# Allegro board ZDRK-36-DE3-A02-20190729.brd (continued)
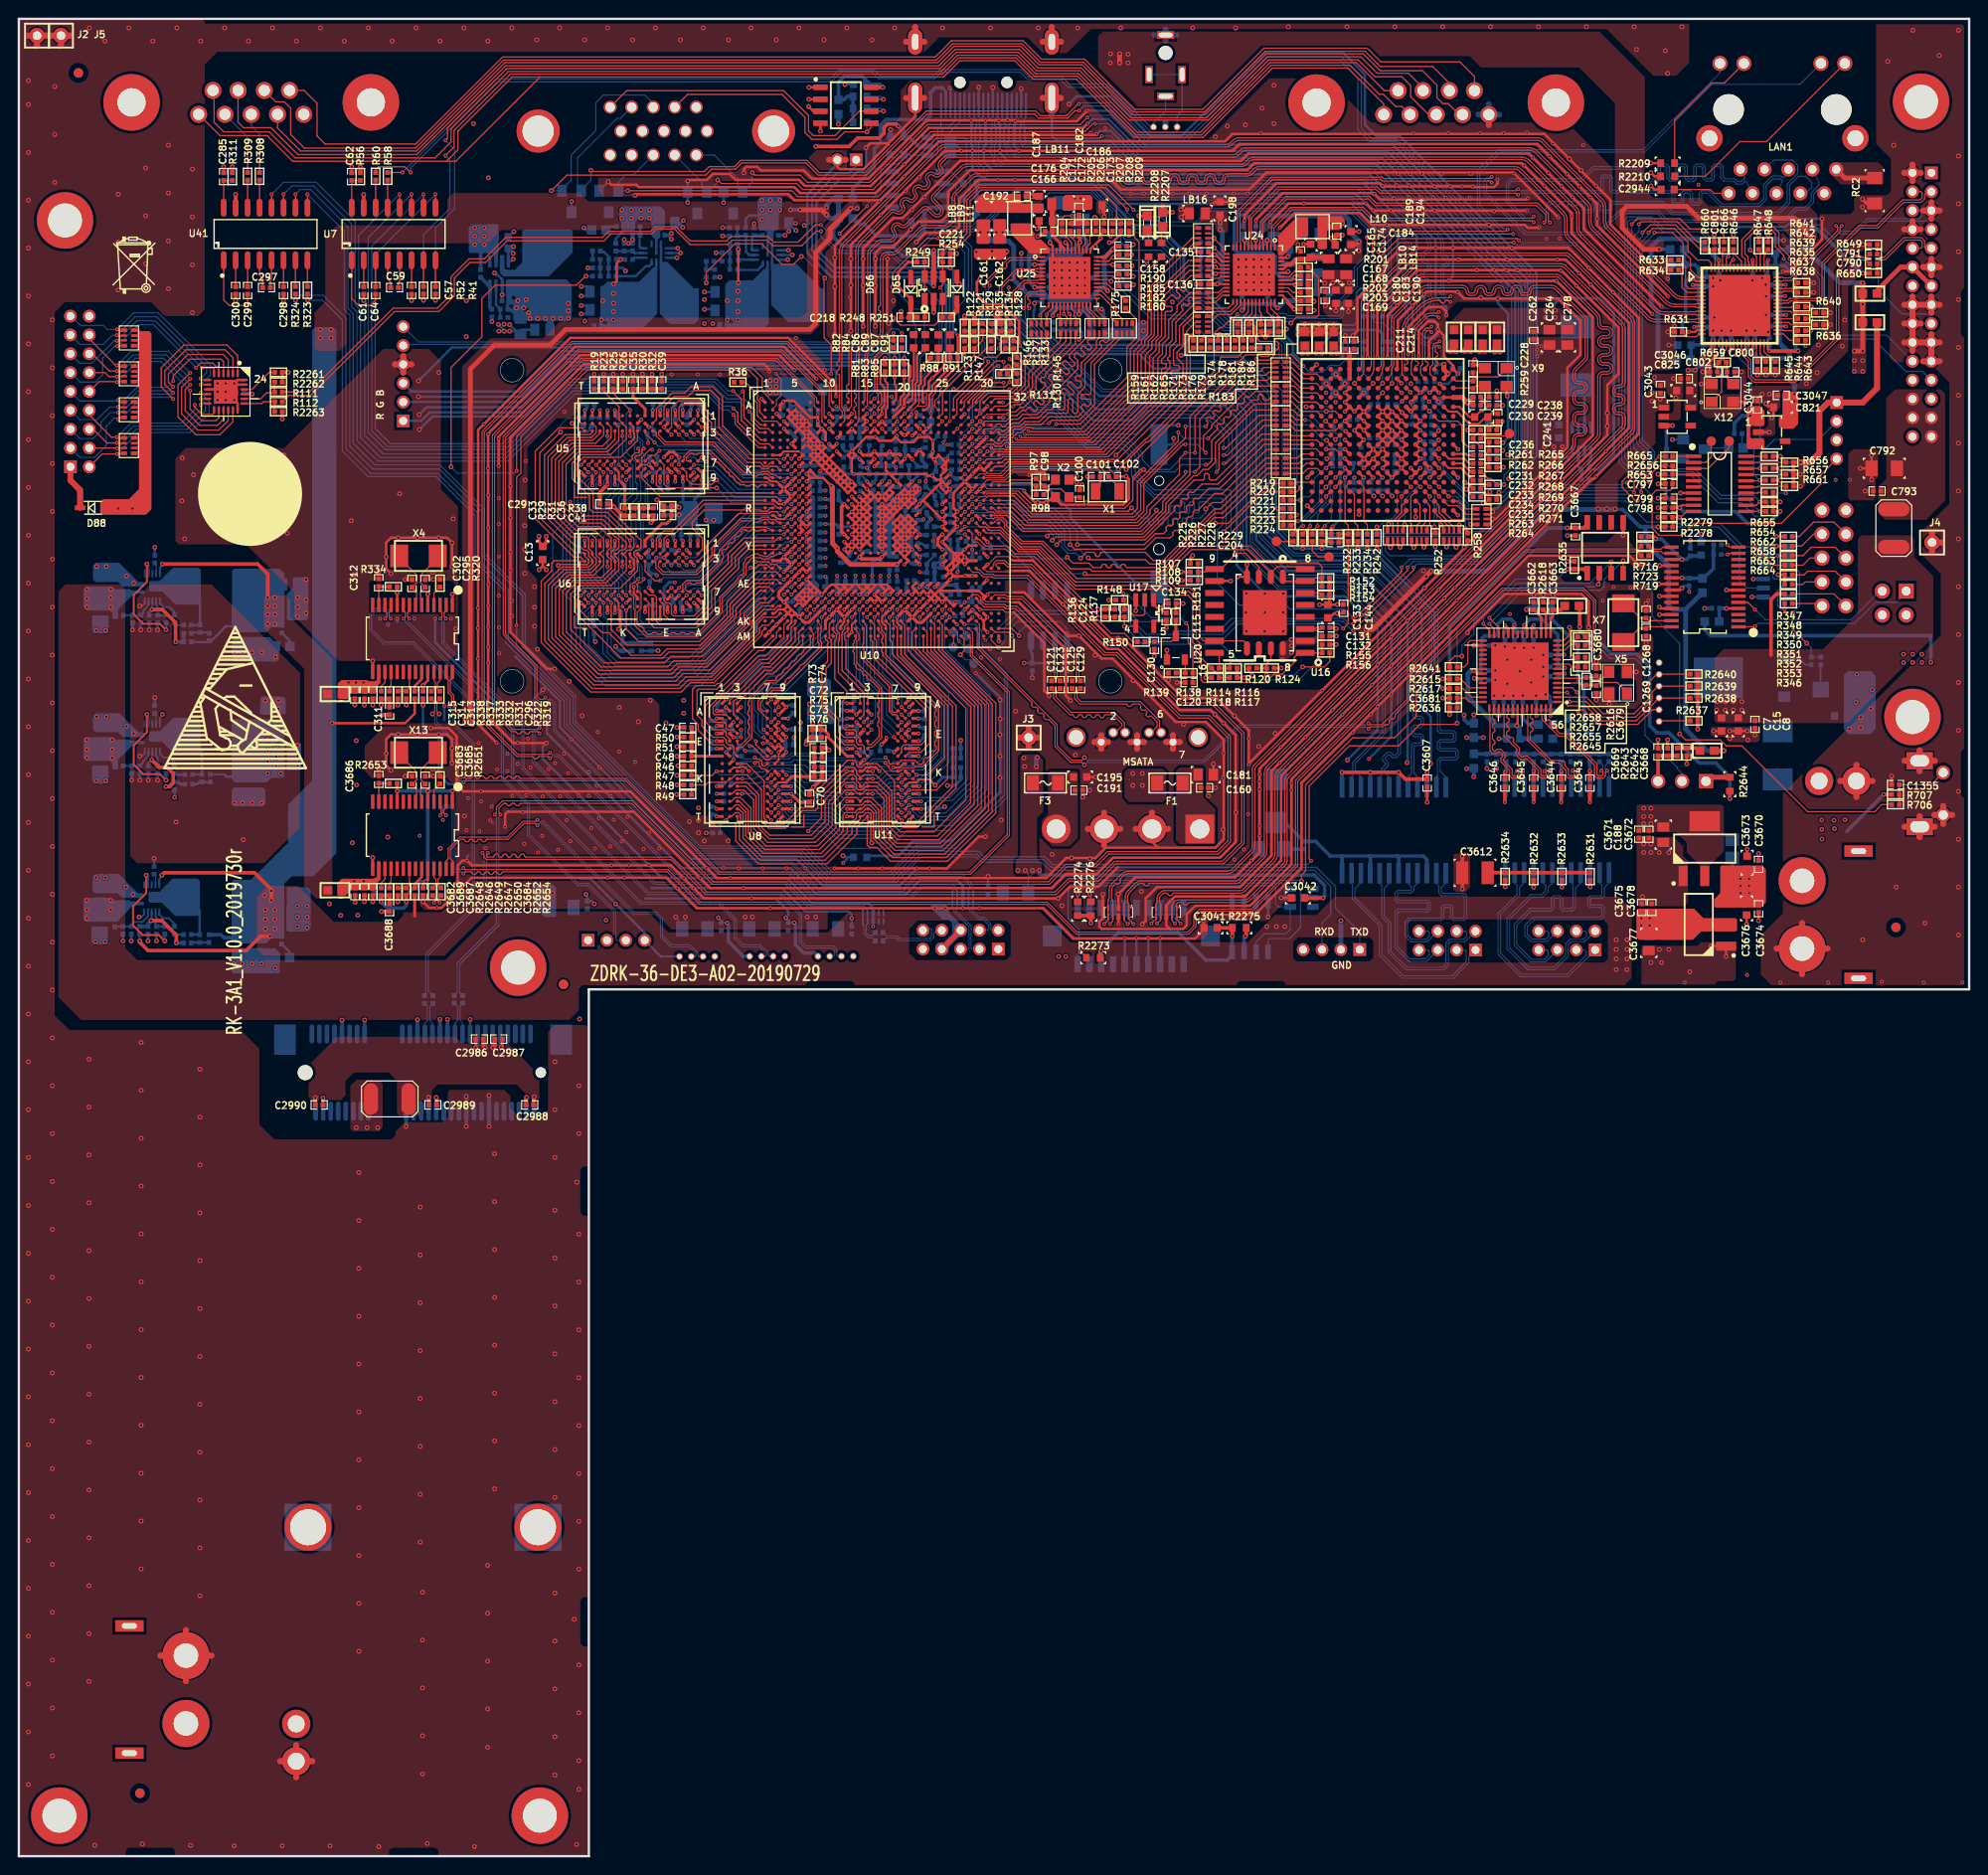
[diagram p0: board, top side]
## Routing (per net, layer and track width the routed paths; a pad name or vN(x,y) marks a point on that pad's centre or on a via; arc(x,y) is an arc through that point) (continued)
SATA_RXP0: length 15
  TOP w0.112: U10.AG31 103.58,133.86 104.75,133.86 104.92,133.69 106.54,133.69 112.52,127.71 112.52,124.89 C129.2
SATA_RXP2: length 149.6
  TOP w0.114: U10.AC31 103.48,136.96 103.48,137.23 103.75,137.5 104.66,137.5 105.06,137.1 107.5,137.1 115.85,128.75 117.09,128.75 123.43,122.42 126.86,122.42 130.05,119.22 130.05,107.49 127.88,105.32 116.42,105.32 114.58,103.48 111.51,103.48 110.08,102.06 72.92,102.06 69.22,105.77 49.64,105.77 49.36,106.04 49.36,106.31 v1(49.19,106.48)
  BOTTOM w0.114: v1(49.19,106.48) 49.36,106.31 49.36,101.92 43.19,95.75 43.19,91.45 C104.2
SATA_TXM0: length 15.7
  TOP w0.112: U10.AG28 101.2,133.88 101.35,133.88 101.35,133.89 101.77,133.89 102.08,133.59 102.08,133.34 102.56,132.85 104.66,132.85 104.85,132.66 105.92,132.66 110.21,128.37 110.21,125.04 C123.2
SATA_TXM2: length 151.2
  TOP w0.114: v1(50.51,110.54) 50.69,110.71 50.69,111.34 51.35,112 65.13,112 73.72,103.42 109.29,103.42 111.14,105.27 114.21,105.27 115.56,106.62 127.19,106.62 128.33,107.76 128.33,118.71 126.25,120.79 123.16,120.79 116.48,127.47 115.21,127.47 107.03,135.65 103.45,135.65 103.31,135.79 102.34,135.79 101.86,136.27 101.23,136.27 U10.AC28
  BOTTOM w0.114: v1(50.51,110.54) 50.69,110.37 50.69,98.92 46.54,94.77 46.54,91.65 C106.2
SATA_TXP0: length 14.2
  TOP w0.112: C121.2 109.94,125.06 109.94,128.26 105.81,132.4 104.74,132.4 104.55,132.59 102.45,132.59 101.81,133.23 101.81,133.37 101.7,133.49 101.62,133.49 U10.AG29
SATA_TXP2: length 151.2
  TOP w0.114: v1(51.12,110.54) 50.95,110.71 50.95,111.23 51.46,111.73 51.67,111.73 51.79,111.62 51.79,111.59 51.9,111.48 52.13,111.48 52.25,111.59 52.25,111.62 52.36,111.73 52.59,111.73 52.7,111.62 52.7,111.59 52.82,111.48 53.05,111.48 53.16,111.59 53.16,111.62 53.27,111.73 65.02,111.73 73.61,103.15 109.4,103.15 111.25,105 114.33,105 115.67,106.35 127.3,106.35 128.6,107.65 128.6,118.82 126.37,121.06 123.27,121.06 116.59,127.74 115.32,127.74 107.14,135.92 103.56,135.92 103.42,136.06 102.45,136.06 101.97,136.54 101.77,136.54 U10.AC29
  BOTTOM w0.114: v1(51.12,110.54) 50.95,110.37 50.95,98.81 46.81,94.66 46.81,91.65 C105.2
SFC_BOOT_MODE: length 37.2
  TOP w0.127: U10.U29 102.03,141.07 102.6,141.07 102.95,140.72 104.18,140.72 106.18,138.71 108.28,138.71 112.14,134.85 122.05,134.85 122.68,134.21 124.21,134.21 124.97,133.45 124.97,129.11 125.32,128.75 125.32,127.36 R114.1 127.41,125.27 R118.1 R117.2
SFC_CLK: length 7.8
  TOP w0.127: U16.16 127.28,127.71 127.41,127.58 R114.2 R116.2 128.52,126.11 128.52,126.59 128.78,126.85 130.99,126.85 131.62,127.48 U18.6
SFC_CS1N: length 47.4
  TOP w0.102: U10.T30 102.44,142.29 102.77,141.96 103.48,141.96 103.56,142.04 104.44,142.04 104.85,141.63
  TOP w0.127: 104.85,141.63 104.85,141.2 106.5,139.55 108.71,139.55 111.63,136.63 113.66,136.63 113.92,136.37 121.67,136.37 124.33,139.04 130.68,139.04 132.46,137.26 137.92,137.26 138.3,136.88 138.3,135.66 ; 138.3,135.66 138.3,134.77 ; 138.3,135.66 137.62,135.66 137.29,135.33 U16.7 134.28,135.33 134.16,135.45 U18.1
SFC_DIO: length 36.2
  TOP w0.127: U10.U30 102.58,141.49 103.05,141.02 104.24,141.02 106.3,138.96 108.41,138.96 112.14,135.23 122.17,135.23 122.81,134.59 124.33,134.59 125.35,133.58 125.35,129.39 125.76,128.98 U16.15 130,128.98 130.35,128.63 U18.5
SFC_DOI: length 41.7
  TOP w0.127: v2(113.16,136.12) 113.28,135.99 121.79,135.99 124.46,138.66 130.4,138.66 132.89,136.17 ; 132.89,136.17 U18.2 ; 132.89,136.17 133.58,136.86 136.28,136.86 U16.8 ; U10.V27 v1(100.41,141.09)
  BOTTOM w0.127: v2(113.16,136.12) 107.7,136.12 102.72,141.09 v1(100.41,141.09)
SFC_HOLD_IO3: length 49.6
  TOP w0.127: R155.2 R156.2 U16.1 135.86,127.71 135.38,127.23 135.38,126.72 134.11,125.45 133.22,125.45 132.33,124.56 125.73,124.56 125.48,124.82 125.48,126.72 124.98,127.22 124.98,128.46 124.59,128.85 124.59,133.32 124.08,133.83 122.56,133.83 121.92,134.47 112.14,134.47 108.15,138.46 106.08,138.46 104.1,140.44 102.67,140.44 U10.V30
SFC_WP_IO2: length 36.5
  TOP w0.102: U10.U31 103.47,141.49 103.81,141.83 104.32,141.83 104.62,141.53 104.62,141.05 105.28,140.39
  TOP w0.127: U18.3 131.62,136.83 130.18,138.28 129.26,138.28 127.58,136.6 U16.9 126.21,136.6 125.91,136.3 R108.1 ; R108.1 R107.1 ; R108.1 R109.2 125.17,134.98 125.04,134.85 123.19,134.85 122.43,135.61 112.27,135.61 108.59,139.29 106.38,139.29 105.28,140.39
SN_BOOT_PIN0: length 11.5
  TOP w0.102: U10.B24 97.23,153.87 97.23,154.46 97.79,155.02
  TOP w0.127: 97.79,155.02 97.79,155.68 101.42,159.31 R147.1 102.31,160.88 R129.2 R135.2
SN_BOOT_PIN1: length 13.6
  TOP w0.127: v2(99.24,155.68) 99.59,155.68 102.41,158.5 102.41,158.97 102.53,159.08 103.78,159.08 R127.2 R133.2 105.92,159.66 R145.1 ; v3(98.83,152.31) U10.D25
  BOTTOM w0.127: v2(99.24,155.68) 98.83,155.27 v3(98.83,152.31)
SN_BOOT_PIN2: length 13.3
  TOP w0.127: U10.C24 97.62,152.69 98.04,153.11 98.04,155.32 98.27,155.55 98.27,155.6 102.67,159.99 R146.1 103.68,160.48 103.68,161.29 R134.2 R128.2
SW_MODE: length 2.3
  TOP w0.127: U1.9 164.55,126.51 164.85,126.21 R2645.1
SW_MODE_R: length 1
  TOP w0.127: R2645.2 R2655.2
SWIM: length 13.2
  TOP w0.127: U1492.18 184.63,147.27 184.66,147.29 v1(184.78,147.29) R654.2
  BOTTOM w0.127: J116.2 191.02,150.34 186.31,150.34 184.78,148.82 v1(184.78,147.29)
SYS_RSTN: length 51.2
  TOP w0.127: R120.2 130.58,125.68 v2(130.94,125.32) ; C131.1 138.2,130.25 v2(137.82,130.25) U16.3 ; U10.W29 101.77,139.74 101.94,139.74 102.64,139.04 104.9,139.04 105.74,138.2 108.03,138.2 114.71,131.52 R136.1 C124.1 R137.2 v2(117.35,130.53) U17.4
  BOTTOM w0.127: v2(117.35,130.53) 119.25,128.63 127.63,128.63 v2(130.94,125.32) 131.42,124.84 135.86,124.84 137.82,126.8 v2(137.82,130.25)
TCK: length 17.6
  TOP w0.127: U1.2 166.4,123.01 168.15,121.26 171.45,121.26 172.97,122.78 172.97,124.56 173.83,125.42 J6.5 174.13,125.45 R2640.1
TDI: length 16
  TOP w0.127: R2638.1 174.11,122.91 J6.3 171.67,120.5 167.89,120.5 166.31,122.09 164.4,122.09 163.98,122.51 U1.1
TDO: length 14.3
  TOP w0.127: J6.2 173.38,121.67 171.83,120.12 167.64,120.12 166.12,121.64 165.61,121.64 v1(165.48,121.51) ; U1.4 164.89,124.01 v1(165.35,123.55)
  BOTTOM w0.127: v1(165.35,123.55) 165.48,123.42 v1(165.48,121.51)
TEST: length 3.1
  TOP w0.127: U1.39 153.97,124.01 153.03,124.94 R2615.2
TMS: length 17.5
  TOP w0.127: v1(164.59,122.53) 166.37,122.53 168.02,120.88 171.58,120.88 173.35,122.66 173.35,123.55 173.98,124.17 J6.4 174.11,124.18 R2639.1 ; v1(164.34,123.51) U1.3
  BOTTOM w0.127: v1(164.59,122.53) 164.59,123.25 v1(164.34,123.51)
TR0N: length 13.9
  TOP w0.114: U1.43 156.08,121.22 156.15,121.16 156.15,117.31 156.44,117.02 156.82,117.02 157.01,117.21 157.17,117.21 157.49,116.88 157.49,116.72 157.31,116.54 157.31,116.15 158.23,115.23 158.23,114.67 158.5,114.4 159.18,114.4 159.45,114.67 159.45,115 v1(159.63,115.17)
  BOTTOM w0.114: R2620.1 159.4,115.79 159.4,115.4 v1(159.63,115.17) 159.77,115.02 T1.3
TR0P: length 13.7
  TOP w0.114: U1.44 156.58,121.22 156.41,121.05 156.41,120.76 156.53,120.65 156.55,120.65 156.67,120.53 156.67,120.3 156.55,120.19 156.53,120.19 156.41,120.07 156.41,119.85 156.53,119.73 156.55,119.73 156.67,119.62 156.67,119.39 156.55,119.27 156.53,119.27 156.41,119.16 156.41,118.56 156.53,118.44 156.55,118.44 156.67,118.33 156.67,118.1 156.55,117.99 156.53,117.99 156.41,117.87 156.41,117.42 156.55,117.29 156.71,117.29 156.89,117.47 157.28,117.47 157.76,116.99 157.76,116.61 157.57,116.43 157.57,116.26 158.5,115.34 158.5,114.78 158.61,114.67 159.07,114.67 159.19,114.78 159.19,115 v1(159.02,115.17)
  BOTTOM w0.114: T1.2 158.77,114.92 v1(159.02,115.17) 159.13,115.28 159.13,115.9 R2619.1
TR1N: length 14.1
  TOP w0.114: U1.46 157.58,121.22 157.65,121.16 157.65,118.86 159.01,117.49 159.01,117.33 158.93,117.25 158.93,116.86 159.41,116.38 159.79,116.38 159.88,116.47 160.04,116.47 161.28,115.23 161.28,114.68 161.56,114.4 162.11,114.4 162.38,114.67 162.38,115 v1(162.55,115.17)
  BOTTOM w0.114: R2622.1 162.36,115.82 162.36,115.36 v1(162.55,115.17) 162.77,114.95 T1.6
TR1P: length 14
  TOP w0.114: v1(161.94,115.17) 162.11,115 162.11,114.78 161.99,114.67 161.67,114.67 161.54,114.8 161.54,115.34 160.15,116.74 159.77,116.74 159.68,116.65 159.52,116.65 159.2,116.97 159.2,117.14 159.28,117.22 159.28,117.6 158.63,118.25 158.63,118.41 158.65,118.43 158.65,118.59 158.49,118.75 158.33,118.75 158.31,118.74 158.15,118.74 157.91,118.97 157.91,119.28 158.03,119.4 158.08,119.4 158.19,119.51 158.19,119.74 158.08,119.86 158.03,119.86 157.91,119.97 157.91,120.2 158.03,120.31 158.08,120.31 158.19,120.43 158.19,120.66 158.08,120.77 158.03,120.77 157.91,120.88 157.91,121.05 158.08,121.22 U1.47
  BOTTOM w0.114: R2621.1 162.09,115.86 162.09,115.32 v1(161.94,115.17) 161.77,115 T1.5
TR2N: length 14.4
  TOP w0.114: v1(165.53,115.22) 165.36,115.05 165.36,114.67 165.09,114.4 164.47,114.4 164.2,114.67 164.2,115.26 163.44,116.01 162.55,116.01 160.16,118.41 160.16,121.15 160.08,121.22 U1.51
  BOTTOM w0.114: R2624.1 165.35,115.77 165.35,115.4 v1(165.53,115.22) 165.77,114.98 T1.9
TR2P: length 14.3
  TOP w0.114: U1.52 160.58,121.22 160.43,121.07 160.43,120.86 160.54,120.74 160.59,120.74 160.71,120.63 160.71,120.4 160.59,120.29 160.54,120.29 160.43,120.17 160.43,119.94 160.54,119.83 160.59,119.83 160.71,119.71 160.71,119.49 160.59,119.37 160.54,119.37 160.43,119.26 160.43,118.52 162.66,116.28 163.55,116.28 163.61,116.22 163.78,116.22 163.79,116.23 163.95,116.23 164.12,116.07 164.12,115.91 164.1,115.89 164.1,115.73 164.47,115.37 164.47,114.78 164.58,114.67 164.98,114.67 165.09,114.78 165.09,115.05 v1(164.92,115.22)
  BOTTOM w0.114: R2623.1 165.09,115.79 165.09,115.38 v1(164.92,115.22) 164.77,115.07 T1.8
TR3N: length 14.9
  TOP w0.114: U1.54 161.58,121.22 161.66,121.15 161.66,120.66 163.46,118.86 164.17,118.86 167.25,115.78 167.25,114.67 167.52,114.4 168.14,114.4 168.41,114.67 168.41,115.05 v1(168.58,115.22)
  BOTTOM w0.114: T1.12 168.77,115.03 v1(168.58,115.22) 168.4,115.4 168.4,115.77 R2626.1
TR3P: length 14.7
  TOP w0.114: U1.55 162.08,121.22 161.93,121.06 161.93,120.77 162.12,120.58 162.28,120.58 162.3,120.6 162.46,120.6 162.62,120.44 162.62,120.27 162.6,120.26 162.6,120.09 162.77,119.93 162.93,119.93 162.95,119.95 163.11,119.95 163.27,119.79 163.27,119.63 163.25,119.61 163.25,119.45 163.57,119.13 164.28,119.13 164.34,119.07 164.5,119.07 164.52,119.09 164.68,119.09 164.84,118.93 164.84,118.76 164.82,118.75 164.82,118.58 167.51,115.89 167.51,114.78 167.63,114.67 168.03,114.67 168.14,114.78 168.14,115.05 v1(167.97,115.22)
  BOTTOM w0.114: T1.11 167.77,115.02 v1(167.97,115.22) 168.14,115.38 168.14,115.79 R2625.1
TX1+: length 22.1
  BOTTOM w0.114: J133.1 164.45,93.32 159.4,93.32 157.01,95.71 157.01,100.08 159.02,102.08 159.02,103.05 158.77,103.3 T1.23
TX1-: length 22
  BOTTOM w0.114: J133.3 166.16,96.18 166.37,95.97 166.37,95.62 164.34,93.59 159.51,93.59 157.28,95.82 157.28,99.97 159.28,101.97 159.28,102.81 159.77,103.29 T1.22
TX2+: length 23.3
  BOTTOM w0.114: T1.20 161.77,103.3 162.06,103.01 162.06,102.47 161.64,102.04 160.46,102.04 157.97,99.55 157.97,96.26 160.15,94.08 163.04,94.08 164.44,95.48 164.44,96.72 164.76,97.05 166.18,97.05 J133.2
TX2-: length 23.2
  BOTTOM w0.114: J133.4 166.22,98.18 166.4,98.01 166.4,97.64 166.06,97.31 164.65,97.31 164.18,96.83 164.18,95.6 162.93,94.35 160.26,94.35 158.24,96.37 158.24,99.44 160.57,101.78 161.75,101.78 162.33,102.36 162.33,102.83 162.77,103.28 T1.19
TX3+: length 21
  BOTTOM w0.114: T1.17 164.77,103.3 164.96,103.11 164.96,100.77 164.77,100.58 164,100.58 163.89,100.7 163.89,101.61 163.56,101.94 162.96,101.94 162.67,101.66 162.67,100.7 162.56,100.58 160.39,100.58 158.73,98.92 158.73,96.66 160.47,94.93 162.06,94.93 J133.5
TX3-: length 20.9
  BOTTOM w0.114: T1.16 165.77,103.28 165.23,102.74 165.23,100.66 164.88,100.32 163.89,100.32 163.62,100.59 163.62,101.5 163.45,101.68 163.07,101.68 162.94,101.55 162.94,100.59 162.67,100.32 160.5,100.32 159,98.81 159,96.78 160.58,95.19 161.95,95.19 162.31,95.55 162.31,96.06 162.19,96.18 J133.7
TX4+: length 21.1
  BOTTOM w0.114: J133.6 162.2,97.07 160.49,97.07 159.85,97.71 159.85,98.77 160.73,99.66 167.86,99.66 168.02,99.82 168.02,100.58 167.91,100.7 166.79,100.7 166.52,100.97 166.52,101.64 166.79,101.92 167.91,101.92 168.02,102.03 168.02,103.03 167.77,103.28 T1.14
TX4-: length 21
  BOTTOM w0.114: T1.13 168.77,103.29 168.29,102.81 168.29,101.92 168.02,101.65 166.9,101.65 166.79,101.53 166.79,101.08 166.9,100.96 168.02,100.96 168.29,100.69 168.29,99.71 167.97,99.39 160.84,99.39 160.12,98.66 160.12,97.82 160.6,97.33 162.09,97.33 162.38,97.63 162.38,98.01 162.22,98.18 J133.8
UART0_RXD: length 78.5
  TOP w0.127: U10.E2 79.97,151.09 79.55,151.51 78.66,151.51 77.76,152.41 77.76,153.1 v1(77.55,153.31) ; U7.12 v1(40.41,176.38)
  BOTTOM w0.127: v1(77.55,153.31) 76.53,154.33 74.78,154.33 73.28,155.83 58.65,155.83 51.64,148.82 38.68,148.82 36.7,150.8 36.7,164.16 36.07,164.8 36.07,172.03 v1(40.41,176.38)
UART0_TXD: length 76.7
  TOP w0.127: U7.11 v1(41.68,176.38) ; v1(77.57,154.05) 78.07,153.56 78.07,152.57 78.74,151.89 U10.D1
  BOTTOM w0.127: v1(77.57,154.05) 76.96,154.66 75.16,154.66 73.66,156.16 58.5,156.16 51.62,149.29 38.9,149.29 37.08,151.1 37.08,171.78 v1(41.68,176.38)
UART1_RXD: length 77.8
  TOP w0.127: v1(75.82,155.5) 76.68,154.64 76.68,152.4 78.79,150.29 U10.F1 ; U7.9 v1(44.22,176.38)
  BOTTOM w0.127: v1(44.22,176.38) 37.82,169.98 37.82,151.54 39.45,149.91 51.36,149.91 58.22,156.77 74.04,156.77 75.31,155.5 v1(75.82,155.5)
UART1_TXD: length 78.2
  TOP w0.127: v1(76.85,155.49) 76.96,155.37 76.96,152.7 78.57,151.09 U10.E1 ; U7.10 v1(42.95,176.38)
  BOTTOM w0.127: v1(76.85,155.49) 76.4,155.04 75.29,155.04 73.86,156.46 58.34,156.46 51.49,149.61 39.12,149.61 37.47,151.26 37.47,170.89 v1(42.95,176.38)
UART2_RXD: length 86.4
  TOP w0.127: v1(75.84,153.64) 76.3,153.19 76.3,152.2 78.61,149.89 79.63,149.89 80.01,149.5 U10.G2 ; U41.12 v1(26.82,176.38)
  BOTTOM w0.127: v1(26.82,176.38) 28.09,177.65 31.57,177.65 35.69,173.53 35.69,164.67 36.27,164.08 36.27,150.55 38.38,148.44 51.74,148.44 58.8,155.5 73.1,155.5 74.73,153.87 75.62,153.87 v1(75.84,153.64)
UART2_TXD: length 83.9
  TOP w0.127: U41.11 v1(28.09,176.38) ; v1(75.84,152.96) 76.02,152.78 76.02,151.99 78.52,149.49 U10.G1
  BOTTOM w0.127: v1(28.09,176.38) 28.98,177.27 31.27,177.27 35.31,173.23 35.31,164.47 35.89,163.88 35.89,150.27 38.1,148.06 51.89,148.06 59.03,155.19 72.97,155.19 74.68,153.49 75.31,153.49 v1(75.84,152.96)
UART3_RXD: length 150.9
  TOP w0.127: U41.9 v1(30.63,176.38)
  TOP w0.254: v1(100.38,130.73) U10.AK27
  BOTTOM w0.127: v1(30.63,176.38) 34.54,172.47 34.54,164.13 35.13,163.55 35.13,149.66 37.57,147.22 44.63,147.22 49.12,142.72 49.12,138.1 53.47,133.76 53.47,128.37 58.83,123.01 58.83,120.29 72.16,106.96 83.41,106.96 86.21,104.17 92.53,104.17 95.35,106.98 99.52,106.98 104.9,112.37 104.9,125.53 102.23,128.19 102.23,130 101.5,130.73 v1(100.38,130.73)
UART3_TXD: length 152.5
  TOP w0.127: U41.10 v1(29.36,176.38)
  TOP w0.254: v1(99.57,130.74) U10.AK26
  BOTTOM w0.127: v1(99.57,130.74) 100,130.3 101.35,130.3 101.85,129.79 101.85,128.07 104.65,125.27 104.65,112.62 99.31,107.29 95.28,107.29 92.41,104.42 86.39,104.42 83.59,107.21 72.29,107.21 59.08,120.42 59.08,123.14 53.75,128.47 53.75,133.91 49.4,138.25 49.4,142.95 44.7,147.65 37.8,147.65 35.48,149.96 35.48,163.7 34.92,164.26 34.92,172.9 30.94,176.89 29.87,176.89 v1(29.36,176.38)
UART_RX_BD: length 17.3
  TOP w0.127: v1(184.28,132.31) 183.51,133.07 U44.5
  BOTTOM w0.127: J124.2 197.54,134.26 194.49,131.22 185.37,131.22 v1(184.28,132.31)
UART_TX_BD: length 19.5
  TOP w0.127: v1(184.28,130.53) 184.22,130.47 U44.1
  BOTTOM w0.127: J124.1 200.33,134.14 199.26,133.07 197.08,133.07 194.84,130.84 184.58,130.84 v1(184.28,130.53)
UPDATE_FROM_USB: length 32.5
  TOP w0.127: U10.K31 103.64,147.52 104.5,147.52 104.95,147.98 117.17,147.98 119.53,150.34 119.63,150.34 126.87,157.58 126.87,159.64 R165.2 R171.1 R173.2
USART1_RX: length 5.4
  TOP w0.127: U1492.3 179.3,147.27 181.53,149.5 TP69.1
USART1_TX: length 3.8
  TOP w0.127: TP68.1 179.63,148.49 179.06,147.92 U1492.2
USB2_DM0: length 98.3
  TOP w0.112: v2(43.9,121.23) 44.15,121.47 44.15,122.48 R322.1 ; U10.AL28 101.22,129.88 101.22,129.35 101.25,129.31 101.25,128.49 101.22,128.45 101.22,127.48 105.13,123.56 105.13,108.34 101.01,104.22 74.32,104.22 64.39,114.15 53.16,114.15 53.15,114.15 47.38,114.15 v1(47.22,113.98)
  BOTTOM w0.112: v1(47.22,113.98) 47.05,114.15 46.7,114.15 46.46,114.39 46.46,117.93 44.15,120.24 44.15,120.99 v2(43.9,121.23)
USB2_DM1: length 89.7
  TOP w0.102: U10.AK29 101.61,131.08 101.96,130.73 101.96,128.68
  TOP w0.112: R2657.1 166.41,128.64 166.54,128.64 167.04,128.64 167.36,128.96 167.36,133.29 166.08,134.57 157.41,134.57 147.32,124.48 147.32,122.75 144.66,120.09 143.41,120.09 v1(143.26,120.24)
  TOP w0.114: 101.96,128.68 101.96,128.68 101.96,128.31 104.54,125.73 105.43,124.84 110.21,120.06 110.21,117.85 111.74,116.32 112.83,116.32 v2(113.11,116.6)
  BOTTOM w0.112: v1(143.26,120.24) 143.07,120.05 129.48,120.05 125.73,116.31 113.4,116.31 v2(113.11,116.6)
USB2_DP0: length 98
  TOP w0.112: U10.AM28 100.99,129.31 100.99,127.38 104.9,123.47 104.9,108.43 100.91,104.44 74.42,104.44 64.48,114.38 53.25,114.38 53.14,114.49 53.14,114.52 53.02,114.63 52.79,114.63 52.68,114.52 52.68,114.49 52.56,114.38 52.34,114.38 52.22,114.49 52.22,114.52 52.11,114.63 51.88,114.63 51.76,114.52 51.76,114.49 51.65,114.38 51.43,114.38 51.31,114.49 51.31,114.52 51.2,114.63 50.97,114.63 50.86,114.52 50.86,114.49 50.74,114.38 50.43,114.38 50.31,114.49 50.31,114.52 50.2,114.63 49.97,114.63 49.86,114.52 49.86,114.49 49.74,114.38 49.51,114.38 49.4,114.49 49.4,114.52 49.28,114.63 49.06,114.63 48.94,114.52 48.94,114.49 48.83,114.38 48.6,114.38 48.48,114.49 48.48,114.52 48.37,114.63 48.14,114.63 48.03,114.52 48.03,114.49 47.91,114.38 47.43,114.38 v1(47.22,114.59) ; v2(44.62,121.23) 44.37,121.47 44.37,122.53 R319.1
  BOTTOM w0.112: v1(47.22,114.59) 47,114.38 46.8,114.38 46.69,114.49 46.69,118.03 44.37,120.34 44.37,120.99 v2(44.62,121.23)
USB2_DP1: length 89.7
  TOP w0.102: 101.73,128.68 101.73,130.18 U10.AL29
  TOP w0.112: v1(143.26,119.63) 143.49,119.86 144.75,119.86 144.98,120.08 145.13,120.08 145.14,120.08 145.3,120.08 145.46,120.24 145.46,120.39 145.45,120.4 145.45,120.56 145.61,120.72 145.77,120.72 145.77,120.71 145.93,120.71 146.09,120.87 146.09,121.03 146.08,121.03 146.08,121.19 147.55,122.66 147.55,124.38 157.51,134.34 165.99,134.34 167.13,133.2 167.13,129.05 166.95,128.87 166.79,128.87 R2658.1
  TOP w0.114: 101.73,128.68 101.73,128.22 107.52,122.43 107.52,122.27 107.5,122.25 107.5,122.09 107.66,121.93 107.82,121.93 107.84,121.94 108,121.94 108.16,121.78 108.16,121.62 108.15,121.6 108.15,121.44 108.31,121.28 108.47,121.28 108.49,121.3 108.65,121.3 108.81,121.14 108.81,120.97 108.79,120.96 108.79,120.8 108.96,120.63 109.12,120.63 109.13,120.65 109.3,120.65 109.98,119.96 109.98,117.75 111.64,116.09 112.82,116.09 v2(113.11,115.81)
  BOTTOM w0.112: v2(113.11,115.81) 113.37,116.08 125.82,116.08 129.57,119.82 143.07,119.82 v1(143.26,119.63)
USB2_OVRCUR0: length 98.2
  TOP w0.102: v3(102.62,129.01) 102.41,129.21 U10.AM30
  TOP w0.127: v1(148.06,136.78) 148.06,136.5 v1(141.63,130.07)
  BOTTOM w0.102: v3(102.62,129.01) 105.59,131.98
  BOTTOM w0.127: 105.59,131.98 105.79,132.18 112.4,132.18 113.03,131.55 117.81,131.55 119.68,129.67 127.74,129.67 129.13,131.06 140.54,131.06 141.53,130.07 v1(141.63,130.07) ; U46.2 183.39,134.59 182.63,135.36 182.63,138.84 180.39,141.07 175.13,141.07 174.62,141.58 172.8,141.58 170.54,143.84 161.82,143.84 155.12,137.13 148.41,137.13 v1(148.06,136.78)
USB2_OVRCUR1: length 13.5
  TOP w0.127: v2(105.41,129.51) 105.03,129.9 103.61,129.9 U10.AL31
  BOTTOM w0.102: v2(105.41,129.51) 105.41,130.4 105.59,130.58
  BOTTOM w0.127: R95.2 U12.5 111.25,130.28 110.49,131.04 106.05,131.04 105.59,130.58
USB2_PWREN0: length 51.8
  TOP w0.127: v1(140.58,130.29) 141.1,130.81 R232.1 ; v2(104.01,128.24) 103.21,129.04 U10.AM31
  BOTTOM w0.102: 105.59,131.34 104.65,130.4 104.65,128.88 104.44,128.68
  BOTTOM w0.127: v2(104.01,128.24) 104.44,128.68 ; 105.59,131.34 106.05,131.8 112.14,131.8 112.78,131.17 117.63,131.17 119.51,129.29 127.94,129.29 129.44,130.78 140.08,130.78 v1(140.58,130.29)
USB2_PWREN1: length 10.6
  TOP w0.127: v2(106.17,129.51) 105.39,130.29 U10.AL32
  BOTTOM w0.127: R96.2 U12.6 109.98,129.9 109.35,130.53 106.81,130.53 106.07,129.8 106.07,129.62 v2(106.17,129.51)
USB2_REXT: length 2.9
  TOP w0.127: U10.AH27 100.41,133.09 v1(100.41,133.1)
  BOTTOM w0.254: R380.1 R381.1 v1(100.41,133.1)
USB3_DM: length 142.5
  TOP w0.112: U10.B10 86,153.9 86,156.01 81.48,160.53 58.79,160.53 49.4,151.14 49.4,120.5 52.97,116.93 56.19,116.93 v1(56.39,117.13)
  BOTTOM w0.112: v1(56.39,117.13) 56.6,116.92 57.3,116.92 69.77,104.44 81.81,104.44 84.53,101.73 94.49,101.73 95.88,103.12 99.16,103.12 99.44,102.84 99.44,102.59 99.6,102.43 U105.2 U105.7 99.6,100.78 99.47,100.64 99.47,100.35 101.08,98.74 101.08,96.38 101.19,96.27 J128.3
USB3_DP: length 142.6
  TOP w0.112: U10.A10 86.23,154.47 86.23,156.1 86.17,156.17 81.58,160.76 58.7,160.76 49.17,151.23 49.17,120.4 52.87,116.7 54.53,116.7 54.64,116.59 54.64,116.57 54.75,116.46 54.98,116.46 55.09,116.57 55.09,116.59 55.2,116.7 56.21,116.7 v1(56.39,116.52)
  BOTTOM w0.112: J128.5 100.74,96.27 100.85,96.38 100.85,98.64 99.24,100.25 99.24,100.64 99.1,100.78 U105.8 U105.1 99.1,102.51 99.21,102.62 99.21,102.75 99.07,102.9 95.98,102.9 94.58,101.5 84.44,101.5 81.72,104.22 69.68,104.22 57.21,116.69 56.55,116.69 v1(56.39,116.52)
USB3_REXT: length 3.1
  TOP w0.305: U10.E10 v1(86.01,151.49)
  BOTTOM w0.254: R401.1 R402.1 86.84,152.55
  BOTTOM w0.305: v1(86.01,151.49) 86.84,152.32 86.84,152.55
USB3_RXM: length 132.4
  TOP w0.112: v1(55.88,122.97) 55.69,122.78 55.31,122.78 54.99,123.11 54.99,126.39 51.64,129.74 51.64,150.57 59.82,158.75 80.37,158.75 84.42,154.7 84.42,153.89 U10.B8
  BOTTOM w0.112: v1(55.88,122.97) 56.07,122.78 56.46,122.78 56.99,122.26 56.99,119.54 71.01,105.51 82.11,105.51 84.98,102.64 93.78,102.64 95.35,104.22 100.12,104.22 101.17,103.17 101.17,102.76 101.3,102.63 U105.4 U105.5 101.3,100.78 101.17,100.64 101.17,100.43 101.96,99.64 102.44,99.64 103.18,98.9 103.18,98.38 103.29,98.27 J128.2
USB3_RXP: length 132.5
  TOP w0.112: v1(55.88,122.36) 55.69,122.56 55.22,122.56 54.76,123.01 54.76,126.3 51.41,129.65 51.41,150.67 59.72,158.98 80.46,158.98 84.68,154.76 84.68,154.42 U10.A8
  BOTTOM w0.112: J128.4 102.84,98.27 102.95,98.38 102.95,98.81 102.34,99.42 101.86,99.42 100.94,100.34 100.94,100.64 100.8,100.78 U105.6 U105.3 100.8,102.63 100.94,102.76 100.94,103.07 100.03,103.99 95.45,103.99 93.87,102.41 84.89,102.41 82.02,105.28 70.92,105.28 56.76,119.44 56.76,122.17 56.37,122.56 56.07,122.56 v1(55.88,122.36)
USB3_TX+: length 7.3
  BOTTOM w0.112: J128.10 96.15,98.45 96.75,98.45 96.88,98.32 96.88,97.59 96.68,97.4 93.48,97.4 93.22,97.66 92.08,97.66 C2807.1
USB3_TX-: length 7.2
  BOTTOM w0.112: J128.8 97.36,98.27 97.1,98.01 97.1,97.49 96.78,97.17 93.39,97.17 93.12,97.43 92.03,97.43 91.98,97.38 91.97,97.38 C2808.1
USB3_TXM: length 128.7
  TOP w0.112: v1(55.27,119.77) 55.08,119.58 52.4,119.58 50.5,121.49 50.5,150.73 59.4,159.64 80.93,159.64 85.24,155.33 85.24,152.26 U10.D9
  BOTTOM w0.112: C2808.2 90.57,97.46 90.14,97.46 89.69,97.92 89.69,98.75 89.58,98.86 U106.8 U106.1 89.58,100.3 89.71,100.43 89.71,100.53 89.63,100.61 83.9,100.61 81.36,103.15 67.46,103.15 54.53,116.08 54.53,119.3 54.82,119.58 55.08,119.58 v1(55.27,119.77)
USB3_TXP: length 128.7
  TOP w0.112: U10.C9 85.47,152.83 85.47,155.42 81.03,159.87 59.31,159.87 50.27,150.83 50.27,121.39 52.31,119.35 52.72,119.35 52.84,119.24 52.84,119.21 52.95,119.1 53.17,119.1 53.28,119.21 53.28,119.24 53.39,119.35 53.62,119.35 53.73,119.24 53.73,119.21 53.84,119.1 54.07,119.1 54.18,119.21 54.18,119.24 54.29,119.35 55.08,119.35 v1(55.27,119.16)
  BOTTOM w0.112: C2807.2 90.58,97.69 90.24,97.69 89.92,98.01 89.92,98.78 90.08,98.94 U106.7 U106.2 90.08,100.35 89.94,100.48 89.94,100.63 89.73,100.84 83.99,100.84 81.45,103.38 67.56,103.38 54.76,116.17 54.76,119.2 54.92,119.35 55.08,119.35 v1(55.27,119.16)
USB_EX1_DM: length 30.2
  TOP w0.112: v1(44.06,101.18) 44.25,101.37 44.25,101.63 R2652.1 ; v1(45.69,122.09) 45.93,122.33 45.93,123.11 45.57,123.47 45.57,124.84 45.36,125.05 U43.27
  BOTTOM w0.112: v1(45.69,122.09) 45.87,121.91 45.87,120.24 48.13,117.98 48.13,102.89 47.4,102.16 44.49,102.16 44.25,101.91 44.25,101.37 v1(44.06,101.18)
USB_EX1_DM1: length 37.8
  TOP w0.112: v1(55.04,109.99) 54.88,109.83 53.52,109.83 51.85,108.15 46.79,108.15 45.57,106.93 45.57,105.84 45.36,105.63 U1496.27
  BOTTOM w0.112: v1(55.04,109.99) 55.21,109.83 55.7,109.83 65.35,100.18 67.69,100.18 68.33,99.54 68.33,97.71 69.31,96.72 71.24,96.72 72.11,95.85 72.11,95.6 72.22,95.48 JU1.2
USB_EX1_DP: length 30.2
  TOP w0.112: R2654.1 44.48,101.63 44.48,101.37 v1(44.67,101.18) ; v1(46.3,122.09) 46.16,122.23 46.16,123.2 45.8,123.56 45.8,124.82 46.01,125.03 U43.28
  BOTTOM w0.112: v1(44.67,101.18) 44.48,101.37 44.48,101.82 44.59,101.93 47.5,101.93 48.36,102.79 48.36,118.08 46.1,120.34 46.1,121.89 v1(46.3,122.09)